# Altium PCB MFC-Card-Template.PcbDoc (part 4 of 4)
Units mm, origin at the board's own origin, x right, y up, seen from the top; angles counter-clockwise.
Board outline 100 x 100 mm, 4 copper layers (Top Layer, Int1 (GND), Int2 (PWR), Bottom Layer), stack 1.542 mm thick; 292 components, 210 nets, 1185 pads, 682 vias.
Unrouted connection lines stored in the file: 56.
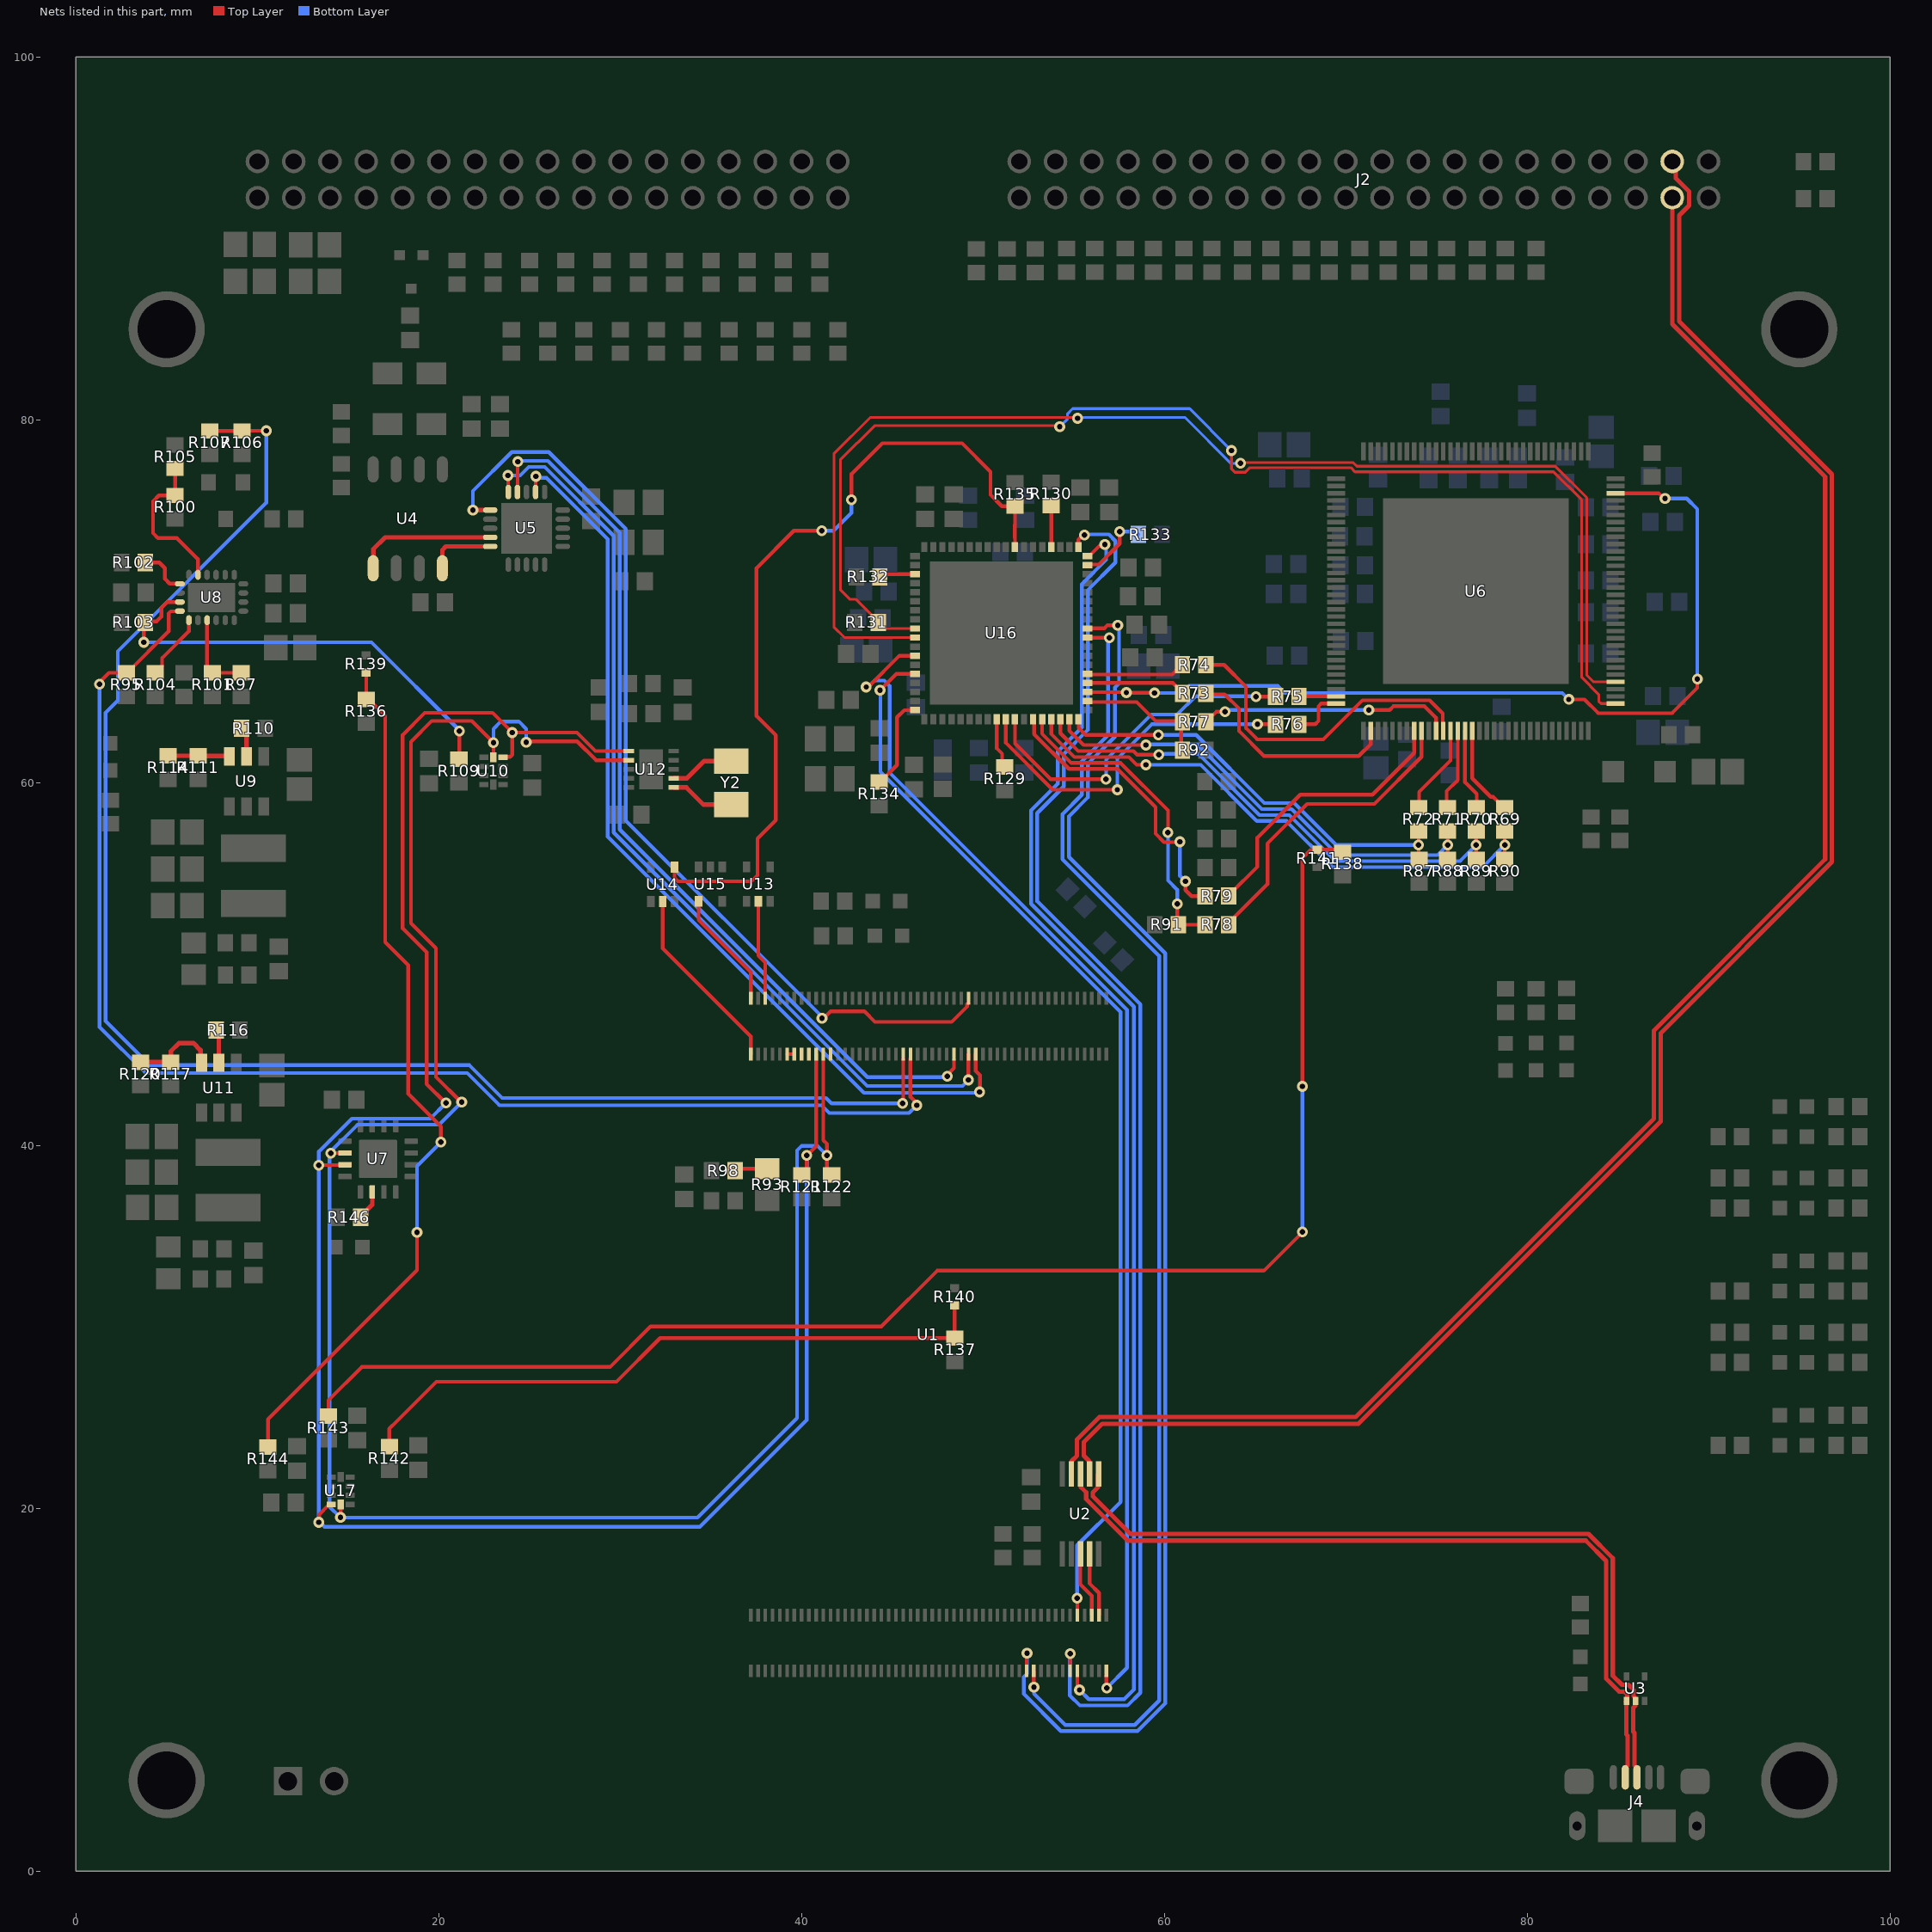
[diagram p6: the nets of this part, all layers, seen from the top]

## Via types
v1: diameter 0.6, hole 0.3, Top Layer to Bottom Layer, 682 vias

## Nets (pads, with @x,y where several pads share a name; then routed paths per layer and width w, separated by ;. In a path a pad name is that pad's centre, name@x,y a point inside that pad or via, vN(x,y) a via of type N, cw(c..) or ccw(c..) an arc to the next point about the centre after c; other vN are vias at no path point) (continued)
NetR69_1: R69.1 R90.2 U16.15 | length 31
  Top Layer w0.203: U16.15@53.762,63.5 53.762,62.697 55.042,61.417 58.039,61.417 58.471,60.985 v1(58.979,60.985) ; R69.1@78.765,57.328 v1(78.765,56.566) R90.2@78.765,55.768 78.765,55.728 R90.2@78.816,55.677
  Bottom Layer w0.203: v1(58.979,60.985) 62.001,60.985 65.1,57.887 66.726,57.887 69.266,55.347 77.546,55.347 v1(78.765,56.566)
NetR69_2: R69.2 U6.80 | length 5.1
  Top Layer w0.203: U6.80@76.975,62.859 76.975,60.24 77.992,59.223 78.12,59.223 78.715,58.628 R69.2@78.765,58.628
NetR70_1: R70.1 R89.2 U16.16 | length 28.5
  Top Layer w0.203: U16.16@54.262,63.5 54.262,62.73 55.245,61.747 58.293,61.747 58.496,61.544 v1(59.69,61.544) ; R89.2@77.191,55.905 v1(77.191,56.566) R70.1@77.191,57.328
  Bottom Layer w0.203: v1(59.69,61.544) 59.741,61.595 61.859,61.595 65.237,58.217 66.884,58.217 69.424,55.677 76.302,55.677 v1(77.191,56.566)
NetR70_2: R70.2 U6.79 | length 4.5
  Top Layer w0.203: U6.79@76.575,62.859 76.575,60.026 77.216,59.385 77.216,58.75 R70.2@77.14,58.674
NetR71_1: R71.1 R88.2 U16.17 | length 26.1
  Top Layer w0.203: U16.17@54.762,63.5 54.762,62.865 55.55,62.078 v1(58.979,62.078) ; R88.2@75.54,55.829 75.616,55.905 v1(75.616,56.566) R71.1@75.616,57.328
  Bottom Layer w0.203: v1(58.979,62.078) 59.009,62.108 61.813,62.108 65.374,58.547 67.021,58.547 69.561,56.007 75.057,56.007 v1(75.616,56.566)
NetR71_2: R71.2 U6.78 | length 4.5
  Top Layer w0.203: R71.2@75.514,58.598 75.565,58.649 75.565,59.538 76.175,60.148 U6.78@76.175,62.859
NetR72_1: R72.1 R87.2 U16.18 | length 23.4
  Top Layer w0.203: U16.18@55.262,63.5 55.27,63.492 55.27,63.024 55.658,62.636 v1(59.665,62.636) ; R87.2@73.939,55.855 74.016,55.931 v1(74.016,56.566) R72.1@74.016,57.328
  Bottom Layer w0.203: v1(59.665,62.636) 61.751,62.636 65.511,58.877 67.158,58.877 69.469,56.566 v1(74.016,56.566)
NetR72_2: R72.2 U6.77 | length 4.9
  Top Layer w0.203: R72.2@73.965,58.674 74.041,58.75 74.041,59.487 75.775,61.221 U6.77@75.775,62.859
NetR73_1: R73.1 U16.22 | length 5.5
  Top Layer w0.203: U16.22@55.762,65.5 60.469,65.5 60.996,64.972 R73.1@60.996,64.922
NetR73_2: R73.2 U6.66 | length 12.3
  Top Layer w0.203: R73.2@62.297,64.872 63.322,64.872 64.11,64.084 64.11,62.851 65.492,61.468 70.714,61.468 71.374,62.128 71.374,62.483 71.375,62.484 U6.66@71.375,62.859 ; R73.2@62.296,64.872 R73.2@62.296,64.922
NetR74_1: R74.1 U16.23 | length 5.4
  Top Layer w0.203: U16.23@55.762,66 55.798,65.964 60.427,65.964 R74.1@60.96,66.497
NetR74_2: R74.2 U6.76 | length 18.3
  Top Layer w0.203: R74.2@62.296,66.497 63.297,66.497 64.491,65.303 64.491,63.017 65.126,62.382 68.76,62.382 70.922,64.545 74.622,64.545 75.352,63.815 75.352,62.883 U6.76@75.375,62.859
NetR75_1: R75.1 U16.11 | length 19
  Top Layer w0.203: U16.11@51.762,63.5 51.762,62.157 53.721,60.198 v1(56.774,60.198) ; v1(65.049,64.749) 66.118,64.749 R75.1@66.121,64.746
  Bottom Layer w0.203: v1(56.774,60.198) 56.794,60.219 56.794,61.265 59.284,63.754 60.706,63.754 61.722,64.77 65.028,64.77 v1(65.049,64.749)
NetR75_2: R75.2 U6.63 | length 2.1
  Top Layer w0.203: R75.2@67.421,64.746 67.434,64.759 U6.63@69.475,64.759
NetR76_1: R76.1 U16.10 | length 19.7
  Top Layer w0.203: U16.10@51.262,63.5 51.262,62.19 53.838,59.614 v1(57.404,59.614) ; v1(65.131,63.226) 66.117,63.226 R76.1@66.121,63.222
  Bottom Layer w0.203: v1(57.404,59.614) 57.404,61.316 59.309,63.221 65.126,63.221 v1(65.131,63.226)
NetR76_2: R76.2 U6.64 | length 3
  Top Layer w0.203: R76.2@67.421,63.222 68.32,63.222 68.498,63.4 68.498,64.213 68.644,64.359 U6.64@69.475,64.359
NetR77_1: R77.1 R92.2 U16.20 | length 7.3
  Top Layer w0.203: U16.20@55.762,64.45 55.77,64.442 58.468,64.442 59.512,63.398 R77.1@60.995,63.398 ; R92.2@60.996,61.798 60.92,61.874 60.92,63.271 R77.1@60.996,63.348 R77.1@60.996,63.398
NetR77_2: R77.2 U6.75 | length 13.9
  Top Layer w0.203: R77.2@62.296,63.348 62.855,63.906 v1(63.348,63.906) ; v1(71.272,64.008) 72.417,64.008 72.624,64.214 74.343,64.214 74.981,63.576 U6.75@74.981,62.967
  Bottom Layer w0.203: v1(63.348,63.906) 63.416,63.906 63.518,64.008 v1(71.272,64.008)
NetR78_1: R78.1 R91.2 U16.14 | length 17.6
  Top Layer w0.203: U16.14@53.262,63.5 53.262,62.699 54.875,61.087 57.582,61.087 60.198,58.471 v1(60.198,57.252) ; R91.2@60.706,52.336 v1(60.706,53.315) ; R91.2@60.772,52.172 60.805,52.205 60.805,52.336 60.97,52.172 62.19,52.172 62.24,52.222 R78.1@62.24,52.172
  Bottom Layer w0.203: v1(60.198,57.252) 60.198,54.61 60.706,54.102 v1(60.706,53.315)
NetR78_2: R78.2 U6.73 | length 17
  Top Layer w0.203: R78.2@63.678,52.4 65.684,54.407 65.684,56.642 67.869,58.826 71.577,58.826 74.175,61.424 U6.73@74.175,62.859
NetR79_1: R79.1 U16.13 | length 16.2
  Top Layer w0.203: U16.13@52.762,63.5 52.82,63.442 52.82,62.675 54.738,60.757 57.404,60.757 59.512,58.649 59.512,57.19 59.979,56.723 60.838,56.723 v1(60.858,56.744) ; v1(61.163,54.559) 61.163,54.077 61.493,53.746 R79.1@62.24,53.746
  Bottom Layer w0.203: v1(60.858,56.744) 60.858,54.864 v1(61.163,54.559)
NetR79_2: R79.2 U6.72 | length 15.8
  Top Layer w0.203: R79.2@63.54,53.746 63.54,53.796 63.616,53.721 63.616,53.862 65.126,55.372 65.126,56.972 67.488,59.334 71.476,59.334 73.775,61.634 U6.72@73.775,62.859
NetR95_1: R95.1 U1.56 U8.20 | length 75.5
  Top Layer w0.203: v1(1.295,65.43) 1.295,65.532 1.818,66.055 2.819,66.055 5.105,68.342 5.105,69.323 5.224,69.442 5.704,69.442 U8.20@5.723,69.461 ; U1.56@46,44.783 46,42.677 46.355,42.322 v1@46.355,42.24
  Bottom Layer w0.203: v1(1.295,65.43) 1.295,46.533 3.835,43.993 21.565,43.993 23.343,42.215 41.097,42.215 41.529,41.783 45.923,41.783 v1(46.355,42.215)
NetR97_1: R97.1 R101.2 U8.3 | length 4.6
  Top Layer w0.203: U8.3@7.223,68.961 7.223,66.35 R101.2@7.518,66.055 R97.1@9.093,66.055
NetR100_1: R100.1 R105.2 U8.15 | length 8.5
  Top Layer w0.203: R105.2@5.461,77.328 R100.1@5.461,75.834 4.562,75.834 4.242,75.514 4.242,73.762 4.521,73.482 5.563,73.482 6.723,72.322 U8.15@6.723,71.461
NetR102_2: R102.2 U8.17 | length 2.7
  Top Layer w0.203: R102.2@3.81,72.136 4.592,72.136 4.898,71.83 4.898,71.242 5.16,70.98 5.704,70.98 U8.17@5.723,70.961
NetR103_2: R103.2 R109.1 U8.19 | length 24.7
  Top Layer w0.203: v1(3.734,67.742) 3.734,68.743 3.882,68.892 4.44,68.892 4.702,69.153 4.702,69.61 5.053,69.961 U8.19@5.723,69.961 ; R109.1@21.082,61.366 21.133,61.417 v1(21.133,62.84)
  Bottom Layer w0.203: v1(3.734,67.742) 16.281,67.742 21.133,62.89 v1(21.133,62.84)
NetR104_2: R104.2 U8.1 | length 3.8
  Top Layer w0.203: R104.2@4.115,66.106 R104.2@4.15,66.141 ; R104.2@4.369,66.055 4.419,66.055 4.742,66.378 4.742,66.871 6.223,68.351 U8.1@6.223,68.961
NetR106_2: R106.2 R107.2 U1.58 | length 87.6
  Top Layer w0.203: R107.2@7.366,79.39 R106.2@9.144,79.39 9.154,79.4 v1(10.49,79.4) ; v1(45.568,42.316) 45.598,42.347 U1.58@45.598,44.783
  Bottom Layer w0.203: v1(10.49,79.4) 10.49,75.438 2.299,67.246 2.299,64.529 1.626,63.856 1.626,46.863 4.064,44.425 21.692,44.425 23.495,42.621 41.351,42.621 41.656,42.316 v1(45.568,42.316)
NetR110_1: R110.1 U9.5 | length 1.7
  Top Layer w0.254: R110.1@9.129,62.992 9.398,62.723 U9.5@9.398,61.446
NetR111_1: R111.1 R114.2 U9.6 | length 3.6
  Top Layer w0.254: R114.2@5.08,61.483 R111.1@6.731,61.483 6.746,61.468 8.27,61.468 8.448,61.646 U9.6@8.448,61.446
NetR116_1: R116.1 U11.5 | length 1.9
  Top Layer w0.254: R116.1@7.732,46.355 7.874,46.213 U11.5@7.874,44.555
NetR117_1: R117.1 R120.2 U11.6 | length 5
  Top Layer w0.254: R120.2@3.556,44.592 R117.1@5.207,44.592 5.224,44.609 5.224,45.188 5.681,45.645 6.465,45.645 6.856,45.253 6.856,44.622 U11.6@6.924,44.555
NetR121_1: R121.1 U1.82 U7.7 U10.9 U12.6 U17.9 | length 119.5
  Top Layer w0.203: v1(13.386,19.228) 13.405,19.247 13.405,19.658 13.915,20.168 14.015,20.168 U17.9@14.063,20.216 ; v1(13.386,38.913) 13.398,38.925 14.947,38.925 U7.7@14.96,38.937 ; v1(20.396,42.342) 20.371,42.342 19.329,43.383 19.329,50.648 18.009,51.968 18.009,62.636 19.228,63.856 22.962,63.856 v1(24.054,62.763) ; U10.9@23.537,61.393 23.567,61.423 23.932,61.423 24.054,61.544 v1(24.054,62.763) ; U12.6@30.469,61.741 28.632,61.741 27.61,62.763 24.13,62.763 v1(24.054,62.763) ; R121.1@40.005,38.369 40.28,38.644 v1(40.28,39.446) ; v1@40.234,39.446 v1(40.28,39.446) ; U1.82@40.8,45.031 40.8,39.967 v1(40.28,39.446)
  Bottom Layer w0.203: v1(20.396,42.342) 19.533,41.478 15.203,41.478 13.386,39.661 v1(13.386,38.913) 13.388,38.911 13.388,19.23 v1(13.386,19.228) 13.449,19.228 13.703,18.974 34.392,18.974 40.28,24.862 v1(40.28,39.446)
NetR122_1: R122.1 U1.80 U7.6 U10.10 U12.7 U17.10 | length 118.3
  Top Layer w0.203: v1(14.044,39.571) 14.051,39.579 14.75,39.579 U7.6@14.759,39.588 ; v1(14.58,19.502) 14.584,19.507 14.584,20.212 U17.10@14.588,20.216 ; v1(21.26,42.393) 21.226,42.393 19.837,43.781 19.837,50.876 18.466,52.248 18.466,62.255 19.609,63.398 21.819,63.398 v1(23.012,62.205) U10.10@23.012,61.393 ; v1(24.816,62.235) 24.862,62.281 27.625,62.281 28.665,61.241 U12.7@30.469,61.241 ; U1.80@41.2,45.031 41.199,45.03 41.199,40.284 41.402,40.081 41.402,38.692 41.598,38.496 R122.1@41.656,38.496
  Bottom Layer w0.203: v1@13.993,39.622 15.519,41.148 20.015,41.148 v1(21.26,42.393) ; v1(14.044,39.571) 13.97,39.498 13.97,20.091 14.559,19.502 v1(14.58,19.502) ; v1@14.58,19.482 34.265,19.482 39.751,24.968 39.751,39.726 40.005,39.98 40.869,39.98 v1(41.402,39.446) ; v1(23.012,62.205) 23.012,62.967 23.419,63.373 24.409,63.373 24.816,62.967 v1(24.816,62.235)
NetR129_1: R129.1 U16.9 | length 2.8
  Top Layer w0.203: U16.9@50.762,63.5 50.762,61.887 51.054,61.595 51.054,60.935 R129.1@51.156,60.833
NetR130_2: R130.2 U16.40 | length 2.2
  Top Layer w0.203: R130.2@53.746,75.209 53.762,75.193 U16.40@53.762,73
NetR131_1: R131.1 U6.97 U16.63 | length 69.8
  Top Layer w0.152: U16.63@46.262,68.5 44.545,68.5 44.221,68.823 R131.1@44.221,68.834 44.221,68.884 43.001,70.104 42.672,70.104 42.139,70.637 42.139,77.8 44.018,79.68 54.178,79.68 v1(54.229,79.629) ; v1(63.703,78.308) 63.696,78.301 63.696,77.3 63.881,77.114 64.465,77.114 64.719,77.368 70.282,77.368 70.51,77.14 81.458,77.14 83.007,75.59 83.007,65.807 83.947,64.867 83.947,64.491 84.074,64.364 84.871,64.364 U6.97@84.875,64.359
  Bottom Layer w0.152: v1(54.229,79.629) 54.661,80.061 54.661,80.34 54.94,80.62 61.392,80.62 v1(63.703,78.308)
NetR132_1: R132.1 U16.57 | length 2
  Top Layer w0.203: R132.1@44.298,71.399 44.398,71.5 U16.57@46.262,71.5
NetR133_2: R133.2 U16.35 | length 4
  Top Layer w0.203: U16.35@55.762,72 55.791,72.028 56.381,72.028 57.536,73.183 v1(57.536,73.838)
  Bottom Layer w0.203: v1(57.536,73.838) 58.42,73.838 R133.2@58.572,73.685
NetR134_2: R134.2 U16.72 | length 5.2
  Top Layer w0.203: R134.2@44.272,60.035 44.322,60.035 45.263,60.976 45.263,63.602 45.661,64 U16.72@46.262,64
NetR135_1: R135.1 U14.4 U16.44 | length 46
  Top Layer w0.203: U14.4@32.995,55.347 32.995,54.742 33.177,54.559 37.236,54.559 37.567,54.889 37.567,56.921 38.583,57.937 38.583,62.611 37.516,63.678 37.516,71.831 39.573,73.889 v1(41.107,73.889) ; v1(42.748,75.59) 42.748,77.013 44.45,78.715 48.844,78.715 50.419,77.14 50.419,75.87 51.044,75.245 R135.1@51.765,75.245 ; U16.44@51.762,73 51.762,73.495 51.755,73.502 51.755,74.208 51.762,74.216 R135.1@51.762,75.242
  Bottom Layer w0.203: v1(41.107,73.889) 41.758,73.889 42.748,74.879 v1(42.748,75.59)
NetR136_1: R136.1 R139.2 R144.1 | length 48.5
  Top Layer w0.203: R144.1@10.579,23.374 10.579,24.904 18.796,33.122 v1(18.796,35.204) ; R136.1@15.998,64.579 R136.1@15.998,64.723 ; R139.2@15.998,66.066 R136.1@15.998,64.723 ; v1(20.117,40.183) 20.117,41.046 18.313,42.85 18.313,49.936 17.043,51.206 17.043,63.678 R136.1@15.998,64.723
  Bottom Layer w0.203: v1(18.796,35.204) 18.796,38.862 v1(20.117,40.183)
NetR137_1: R137.1 R140.2 R142.1 | length 36
  Top Layer w0.203: R142.1@17.272,23.398 17.272,24.384 17.704,24.816 19.863,26.975 29.794,26.975 32.201,29.382 R137.1@48.453,29.382 48.438,29.397 R140.2@48.438,31.173
NetR138_1: R138.1 R141.2 R143.1 | length 81.4
  Top Layer w0.203: R143.1@13.894,25.019 13.919,25.044 13.919,25.959 15.748,27.788 29.439,27.788 31.674,30.023 44.399,30.023 47.473,33.096 65.481,33.096 v1(67.615,35.23) ; v1(67.615,43.256) 67.615,55.855 68.047,56.286 68.41,56.286 R141.2@68.428,56.304 69.654,56.304 R138.1@69.723,56.236
  Bottom Layer w0.203: v1(67.615,35.23) v1(67.615,43.256)
NetR146_2: R146.2 U7.10 | length 1.7
  Top Layer w0.254: R146.2@15.692,36.04 15.692,36.09 16.332,36.73 16.332,37.431 U7.10@16.327,37.437
NetU1_38: U1.38 U5.12 | length 51.2
  Top Layer w0.203: U5.12@25.334,76.026 25.342,76.033 25.342,76.878 v1(25.349,76.886) ; U1.38@49.6,45.031 49.6,44.108 49.835,43.874 49.835,42.977 v1(49.809,42.951)
  Bottom Layer w0.203: v1(25.349,76.886) 25.425,76.81 25.933,76.81 29.312,73.431 29.312,57.023 43.434,42.901 49.759,42.901 v1(49.809,42.951)
NetU1_39: U1.39 U5.16 | length 53.5
  Top Layer w0.203: v1(41.123,47.015) 41.226,47.015 41.602,47.392 43.464,47.392 44.044,46.812 48.274,46.812 49.129,47.666 49.129,47.793 U1.39@49.198,47.863
  Top Layer w0.254: v1(21.876,75.03) 22.831,75.03 U5.16@22.834,75.026
  Bottom Layer w0.203: v1(21.876,75.03) 21.876,76.079 24.024,78.227 26.065,78.227 30.302,73.99 30.302,57.912 41.123,47.092 v1(41.123,47.015)
NetU1_40: U1.40 U5.15 | length 51.8
  Top Layer w0.203: v1(23.818,76.937) 23.826,76.928 23.826,76.034 U5.15@23.834,76.026 ; v1(49.2,43.612) U1.40@49.2,45.031
  Bottom Layer w0.203: v1(23.818,76.937) 24.486,76.937 24.963,77.414 25.837,77.414 29.642,73.609 29.642,57.252 43.612,43.282 48.87,43.282 v1(49.2,43.612)
NetU1_44: U1.44 U5.14 | length 50.2
  Top Layer w0.203: U5.14@24.335,76.026 24.347,76.038 24.347,77.687 v1(24.359,77.699) ; v1(48.031,43.815) 48.031,43.898 48.4,44.266 U1.44@48.4,44.783
  Bottom Layer w0.203: v1(24.359,77.699) 24.405,77.745 26.014,77.745 29.972,73.787 29.972,57.418 43.625,43.765 47.981,43.765 v1(48.031,43.815)
NetU1_95: U1.95 U13.2 | length 5.5
  Top Layer w0.203: U13.2@37.617,53.457 37.617,50.47 38,50.087 U1.95@38,48.111
NetU1_99: U1.99 U15.4 | length 6.5
  Top Layer w0.203: U15.4@34.326,53.457 34.326,52.441 37.2,49.566 U1.99@37.2,48.111
NetU1_100: U1.100 U14.2 | length 10.4
  Top Layer w0.203: U14.2@32.345,53.447 32.345,50.866 37.2,46.01 U1.100@37.2,45.031
NetU1_102: U1.102 U16.66 | length 66.8
  Top Layer w0.203: v1(43.561,65.278) 43.668,65.278 45.39,67 U16.66@46.262,67 ; U1.102@56.802,10.783 56.802,10.102 v1(56.82,10.084)
  Bottom Layer w0.203: v1(43.561,65.278) 43.668,65.278 44.02,65.629 44.557,65.629 44.852,65.334 44.852,60.558 57.937,47.473 57.937,11.201 v1(56.82,10.084)
NetU1_103: U1.103 U2.4 | length 3.6
  Top Layer w0.203: U2.4@55.872,17.485 55.872,15.858 56.4,15.33 U1.103@56.4,14.111
NetU1_105: U1.105 U2.3 | length 3.6
  Top Layer w0.203: U2.3@55.372,17.485 55.372,15.799 56,15.171 U1.105@56,14.111
NetU1_109: U1.109 U16.68 | length 59.6
  Top Layer w0.203: v1(44.323,65.1) 45.222,66 U16.68@46.262,66 ; v1(55.194,15.037) 55.198,15.033 U1.109@55.2,14.111 U1.109@55.2,14.111
  Bottom Layer w0.203: v1(44.323,65.1) 44.348,65.075 44.348,60.594 57.582,47.36 57.582,20.345 55.194,17.958 55.194,15.215 v1@55.22,15.189
NetU1_110: U1.110 U16.36 | length 72.7
  Top Layer w0.203: U1.110@55.2,10.783 55.2,10.197 55.321,10.076 v1(55.321,9.982) ; U16.36@55.762,72.5 55.862,72.5 56.413,73.051 56.642,73.051 v1(56.718,73.127)
  Bottom Layer w0.203: v1(55.321,9.982) 55.829,9.474 57.785,9.474 58.318,10.008 58.318,47.65 52.654,53.315 52.654,58.471 54.127,59.944 54.127,61.722 55.448,63.043 55.448,70.942 56.794,72.288 56.794,73.051 v1(56.718,73.127)
NetU1_112: U1.112 U16.37 | length 77.8
  Top Layer w0.203: U1.112@54.802,11.279 54.802,11.977 v1(54.813,11.989) ; U16.37@55.262,73 55.262,73.398 55.524,73.66 v1(55.601,73.66)
  Bottom Layer w0.203: v1(54.813,11.989) 54.788,11.963 54.788,9.677 55.34,9.126 57.97,9.126 58.674,9.83 58.674,47.777 52.984,53.467 52.984,58.318 54.458,59.792 54.458,61.585 55.778,62.906 55.778,70.612 57.302,72.136 57.302,73.324 56.941,73.685 55.626,73.685 v1(55.601,73.66)
NetU1_122: U1.122 U16.27 | length 72.5
  Top Layer w0.203: U1.122@52.8,11.031 52.802,11.029 52.802,10.14 v1(52.807,10.135) ; U16.27@55.762,68 55.77,67.992 56.96,67.992 v1(56.967,67.985)
  Bottom Layer w0.203: v1(52.807,10.135) 52.807,9.779 54.534,8.052 58.369,8.052 59.715,9.398 59.715,9.779 59.715,47.828 59.715,50.444 54.381,55.778 54.381,58.268 55.448,59.334 55.448,61.175 56.896,62.623 56.896,67.914 v1(56.967,67.985)
NetU1_124: U1.124 U16.28 | length 76.8
  Top Layer w0.203: U1.124@52.402,11.279 52.402,11.99 v1(52.426,12.014) ; U16.28@55.82,68.515 56.698,68.515 56.865,68.682 v1(57.429,68.682)
  Bottom Layer w0.203: v1(52.426,12.014) 52.426,10.87 52.248,10.692 52.248,9.765 54.291,7.722 58.522,7.722 60.046,9.246 60.046,10.682 60.046,50.597 54.737,55.905 54.737,58.141 55.778,59.182 55.778,61.038 57.277,62.537 57.277,65.254 57.496,65.473 57.496,68.615 v1(57.429,68.682)
NetU4_1: U4.1 U5.19 | length 7.8
  Top Layer w0.254: U4.1@16.383,71.824 16.39,71.831 16.39,72.875 17.041,73.526 U5.19@22.834,73.526
NetU4_4: U4.4 U5.20 | length 3.7
  Top Layer w0.254: U4.4@20.193,71.824 20.193,72.825 20.394,73.026 U5.20@22.834,73.026
NetU6_100: U6.100 U16.64 | length 70
  Top Layer w0.152: U16.64@46.262,68 42.363,68 41.783,68.58 41.783,78.13 43.79,80.137 55.174,80.137 v1(55.22,80.091) ; v1(64.199,77.618) 64.229,77.648 70.409,77.648 70.612,77.445 81.548,77.445 83.287,75.706 83.287,65.923 83.65,65.559 U6.100@84.875,65.559
  Bottom Layer w0.152: v1(55.22,80.091) 55.266,80.137 61.138,80.137 63.678,77.597 64.178,77.597 v1(64.199,77.618)
NetU6_126: U6.126 U16.21 | length 49.7
  Top Layer w0.203: U16.21@55.762,65 55.776,64.986 57.887,64.986 v1(57.902,64.971) ; v1@57.912,64.973 57.925,64.96 59.449,64.96 v1(59.461,64.948) ; v1(82.296,64.592) 83.16,64.592 83.922,63.83 87.986,63.83 89.383,65.227 v1(89.383,65.71) ; U6.126@84.875,75.959 87.243,75.959 87.536,75.667 v1(87.605,75.667)
  Bottom Layer w0.203: v1(59.461,64.948) 60.985,64.948 61.366,65.329 66.262,65.329 66.643,64.948 81.94,64.948 v1(82.296,64.592) ; v1(87.605,75.667) 88.798,75.667 89.383,75.082 v1(89.383,65.71)
NetU12_1: U12.1 Y2.2 | length 3.6
  Top Layer w0.254: U12.1@32.944,59.741 33.639,59.741 34.585,58.795 Y2.2@36.119,58.795
NetU12_2: U12.2 Y2.1 | length 3.6
  Top Layer w0.254: U12.2@32.944,60.241 33.674,60.241 34.628,61.195 Y2.1@36.119,61.195
Pi4CM_1.8V: U1.88 U1.90 | length 0.4
  Top Layer w0.203: U1.90@39.2,45.031 U1.90@39.2,45.031 39.202,45.034 U1.88@39.548,45.034
Pi4CM_3P3V: R93.1 R98.2 U1.78 U1.84 U1.86 | length 1.8
  Top Layer w0.203: R98.2@36.337,38.608 36.45,38.721 R93.1@38.1,38.721
USB1_D_N: J2.37 U2.9 | length 99.3
  Top Layer w0.244: U2.9@54.872,21.885 54.9,21.913 54.9,22.615 55.187,22.902 55.187,23.8 56.418,25.031 70.543,25.031 86.992,41.479 86.992,46.338 96.432,55.778 96.432,76.861 88.008,85.285 J2.37@88.008,92.25
USB1_D_P: J2.38 U2.7 | length 102
  Top Layer w0.244: U2.7@55.872,21.885 55.844,21.913 55.844,22.615 55.557,22.902 55.557,23.646 56.571,24.66 70.697,24.66 87.362,41.326 87.362,46.185 96.802,55.625 96.802,77.014 88.378,85.438 88.378,91.274 88.925,91.821 88.925,92.596 88.202,93.319 88.202,94.048 J2.38@88,94.25
USB2_D_N: J4.2 U2.8 U3.1 | length 44.2
  Top Layer w0.244: U2.8@55.372,21.885 55.4,21.857 55.4,21.155 55.685,20.87 55.685,20.503 57.971,18.217 83.226,18.217 84.35,17.094 84.35,10.612 85.072,9.889 85.365,9.889 85.507,9.746 85.507,9.409 85.451,9.352 85.47,9.333 85.47,7.534 85.545,7.459 85.545,5.822 85.405,5.682 J4.2@85.405,5.207
USB2_D_P: J4.3 U2.6 U3.2 | length 44.2
  Top Layer w0.244: U2.6@56.372,21.885 56.344,21.857 56.344,21.155 56.056,20.867 56.056,20.656 58.125,18.588 83.38,18.588 84.72,17.247 84.72,10.765 85.226,10.26 85.592,10.26 85.878,9.974 85.878,9.622 U3.2@85.948,9.552 ; U3.2@85.979,9.383 85.951,9.355 85.951,9.111 85.841,9.001 85.841,7.688 85.915,7.613 85.915,5.822 86.055,5.682 J4.3@86.055,5.207
pads on no net: U1.3 U1.5 U1.9 U1.11 U1.16 U1.18 U1.20 U1.57 U1.61 U1.62 U1.63 U1.64 U1.67 U1.68 U1.69 U1.70 U1.72 U1.73 U1.75 U1.76 U1.89 U1.91 U1.93 U1.94 U1.96 U1.97 U1.104 U1.106 U1.111 U1.115 U1.117 U1.121 U1.123 U1.127 U1.128 U1.129 U1.130 U1.133 U1.134 U1.135 U1.136 U1.139 U1.140 U1.141 U1.142 U1.143 U1.145 U1.146 U1.147 U1.148 U1.149 U1.151 U1.152 U1.153 U1.154 U1.157 U1.158 U1.159 U1.160 U1.163 U1.164 U1.165 U1.166 U1.169 U1.170 U1.171 U1.172 U1.175 U1.176 U1.177 U1.178 U1.181 U1.182 U1.183 U1.184 U1.187 U1.188 U1.189 U1.190 U1.193 U1.194 U1.195 U1.196 U1.199 U1.200 U5.1 U5.2 U5.3 U5.4 U5.5 U5.9 U5.10 U5.11 U5.13 U5.17 U6.6 U6.7 U6.8 U6.9 U6.17 U6.18 U6.20 U6.21 U6.28 U6.29 U6.31 U6.32 U6.39 U6.40 U6.42 U6.43 U6.46 U6.52 U6.53 U6.54 U6.55 U6.58 U6.59 U6.60 U6.61 U6.62 U6.65 U6.87 U6.88 U6.93 U6.94 U6.96 U6.99 U6.108 U6.117 U6.118 U6.120 U6.121 U6.125 U7.8 U7.9 U7.13 U7.17@16.082,38.692 U7.17@16.082,39.831 U7.17@17.221,38.692 U7.17@17.221,39.831 U10.2 U10.6 U10.7 U12.3 U12.8 U12.9 U13.1 U14.1 U15.1 U16.47 U16.49 U16.50 U16.51 U16.54 U16.55 U16.56 U16.58 U16.59 U16.60 U16.67 U17.2 U17.7
copper on no net:
  other v1: 25.5,13.071 73.5,13.071 25.5,46.071 73.5,46.071

## Polygon pours and split planes (outlines as drawn)
GND on Top Layer "Top Layer-GND" (solid, remove dead copper, pour order 55): 0,0 100,0 100,100 0,100
+5 on Top Layer "Top Layer-+5 1" (solid, pour order 44): 41.707,47.752 41.707,49.327 41.377,49.657 39.827,49.657 39.497,49.327 39.497,49.225 39.497,47.752
+2.5 on Top Layer "Top Layer-+1.2" (solid, pour order 46): 7.163,50.038 5.461,50.038 4.724,50.775 4.166,50.775 3.848,50.457 3.848,48.4 4.127,48.12 4.712,48.12 5.41,48.819 7.163,48.819
+3.3 on Top Layer "Top Layer-+3.3" (solid, pour order 45): 38.786,37.567 38.786,34.823 38.583,34.62 36.271,34.62 36.144,34.747 36.144,35.306 36.449,35.611 36.855,35.611 37.262,36.017 37.414,36.17 37.414,37.567
Pi4CM_3P3V on Top Layer "Top Layer-Pi3V3" (solid, remove dead copper, pour order 50): 40.513,45.593 40.64,45.72 41.377,45.72 41.504,45.593 41.504,44.679 41.707,44.679 41.707,45.847 41.529,46.025 40.056,46.025 39.903,45.872 39.903,45.593 39.903,42.799 37.414,40.31 37.414,38.125 38.786,38.125 38.786,39.599 40.513,41.326
+1.2 on Top Layer "Top Layer-+1.2" (solid, pour order 47): 5.829,33.236 4.127,33.236 3.391,33.972 2.832,33.972 2.515,33.655 2.515,31.598 2.794,31.318 3.378,31.318 4.077,32.017 5.829,32.017
+5_Supply on Top Layer "Top Layer-+5_Supply" (solid, remove dead copper, pour order 53): 14.884,94.386 14.3,94.971 13.665,94.971 13.208,94.513 13.208,84.48 11.481,82.753 11.481,82.194 11.481,73.635 11.024,73.177 10.77,73.177 8.534,73.177 7.544,72.187 7.544,71.171 8.941,71.171 8.941,70.333 8.992,70.383 11.43,70.383 11.43,71.501 13.081,73.152 13.081,82.017 14.884,83.82
+5 on Top Layer "Top Layer-+5" (solid, pour order 54): 11.963,65.684 13.386,65.684 14.453,64.618 14.44,62.497 15.519,61.417 15.519,45.72 13.462,43.663 9.728,43.663 9.347,44.044 8.509,44.044 8.509,46.838 8.484,46.863 8.534,46.914 12.979,46.914 13.665,47.6 13.665,60.223 13.31,60.579 11.43,60.579 11.1,60.909 10.033,60.909 10.033,64.084 9.804,64.313 8.585,64.313 8.585,65.227 9.804,65.227 9.804,66.573 8.89,67.488 7.772,67.488 7.544,67.716 7.544,69.24 8.941,69.24 8.941,70.129 11.354,70.129 11.506,69.977 11.506,68.402 11.684,68.224 11.684,65.964
NetL2_1 on Top Layer "Top Layer-NetL2_1" (solid, pour order 48): 9.142,42.314 9.142,41.465 10.187,40.421 10.187,38.854 6.53,38.853 6.53,40.355 6.595,40.421 7.967,40.421 8.489,40.943 8.489,42.314
NetL1_1 on Top Layer "Top Layer-NetL1_1" (solid, pour order 49): 10.644,59.227 10.644,58.117 11.623,57.138 11.623,55.636 7.967,55.636 7.967,57.268 8.162,57.464 9.599,57.464 10.056,57.921 10.056,59.227
NetC66_2 on Top Layer "Top Layer-NetC66_2" (solid, pour order 51): 10.187,37.352 5.877,37.352 5.681,37.547 5.681,41.27 4.245,41.27 4.245,33.76 5.746,33.76 5.746,35.589 5.942,35.784 10.187,35.784
NetC61_2 on Top Layer "Top Layer-NetC61_2" (solid, pour order 52): 11.623,54.134 7.314,54.134 7.118,54.33 7.118,58.052 5.681,58.052 5.681,50.542 7.183,50.542 7.183,52.371 7.379,52.566 11.623,52.566
GND on Bottom Layer "Bot Layer-GND" (solid, remove dead copper, pour order 56): 0,0 100,0 100,100 0,100
+3.3 on Int2 (PWR) (split plane): 99.49,0.51 0.51,0.51 0.51,99.49 99.49,99.49
+1.2 on Int2 (PWR) (split plane): 86.092,88.645 86.092,86.766 86.092,78.157 84.53,76.595 71.806,76.595 71.781,76.59 71.76,76.576 70.414,75.23 70.4,75.209 70.395,75.184 70.395,63.297 70.4,63.272 70.414,63.251 70.573,63.092 70.573,62.155 70.23,61.812 69.648,61.812 69.28,62.181 69.28,76.275 70.893,77.888 83.795,77.888 83.819,77.893 83.84,77.907 84.526,78.593 84.54,78.614 84.545,78.638 84.545,87.503 84.54,87.528 84.526,87.549 83.84,88.235 83.129,88.946 83.108,88.96 83.083,88.965 48.209,88.965 48.184,88.96 48.163,88.946 45.623,86.406 45.609,86.385 45.604,86.36 45.604,81.229 45.604,73.052 44.734,72.182 44.72,72.161 44.715,72.136 44.715,66.143 44.449,65.876 43.613,65.876 43.397,66.092 43.397,72.846 44.293,73.741 44.307,73.762 44.312,73.787 44.312,80.848 44.307,80.873 44.293,80.894 44.191,80.996 41.829,83.358 41.808,83.372 41.783,83.377 22.606,83.377 22.581,83.372 22.56,83.358 19.074,79.872 12.883,73.68 12.869,73.659 12.864,73.635 12.864,70.944 8.616,66.695 8.602,66.674 8.597,66.65 8.597,56.796 3.815,52.014 3.801,51.993 3.796,51.968 3.796,46.177 3.801,46.152 3.815,46.131 5.345,44.601 5.345,35.587 3.815,34.056 3.801,34.035 3.796,34.011 3.796,31.294 3.605,31.104 2.135,31.104 1.69,31.548 1.69,35.127 3.018,36.454 3.032,36.475 3.037,36.5 3.037,44.018 3.032,44.043 3.018,44.064 1.69,45.391 1.69,52.78 6.599,57.688 6.613,57.709 6.618,57.734 6.618,67.893 10.549,71.824 10.563,71.845 10.568,71.869 10.568,73.951 18.194,81.577 22.125,85.508 41.885,85.508 41.909,85.513 41.93,85.527 46.814,90.41 84.327,90.41
+2.5 on Int2 (PWR) (split plane): 81.672,88.238 81.672,88.038 81.279,87.644 69.596,87.644 69.571,87.639 69.55,87.625 69.017,87.092 69.003,87.071 68.998,87.046 68.998,78.919 68.833,78.754 62.001,78.754 61.977,78.749 61.956,78.735 60.99,77.77 59.746,76.525 59.212,75.992 59.198,75.971 59.193,75.946 59.193,74.778 59.198,74.753 59.212,74.732 60.133,73.811 60.133,66.981 56.463,63.311 47.142,63.311 47.118,63.306 47.097,63.292 46.893,63.089 46.879,63.068 46.874,63.043 46.874,62.865 46.874,62.409 46.608,62.142 46.306,62.142 46.09,62.358 46.09,63.094 46.085,63.118 46.071,63.139 45.918,63.292 45.897,63.306 45.872,63.311 34.266,63.311 27.783,69.794 27.762,69.808 27.737,69.813 15.418,69.813 15.393,69.808 15.372,69.794 10.47,64.892 10.456,64.871 10.451,64.846 10.451,55.246 5.72,50.516 5.706,50.495 5.701,50.47 5.701,49.023 4.825,48.147 4.243,48.147 4.103,48.287 4.103,51.103 4.567,51.567 8.86,55.86 8.874,55.881 8.879,55.905 8.879,65.658 14.454,71.233 28.701,71.233 35.463,64.47 35.484,64.456 35.509,64.451 55.601,64.451 55.625,64.456 55.646,64.47 58.669,67.493 58.683,67.514 58.688,67.539 58.688,73.33 58.683,73.355 58.669,73.376 58.136,73.909 57.469,74.576 57.469,75.919 58.796,77.246 60.574,79.024 61.317,79.767 68.224,79.767 68.249,79.772 68.27,79.786 68.423,79.939 68.437,79.96 68.442,79.985 68.442,86.944 68.437,86.969 68.423,86.99 67.711,87.701 67.69,87.715 67.666,87.72 51.054,87.72 51.029,87.715 51.008,87.701 50.113,86.806 49.557,86.806 49.341,87.022 49.341,87.654 50.065,88.378 77.749,88.378 77.774,88.383 77.795,88.397 77.878,88.48 81.431,88.48
+5 on Int2 (PWR) (split plane): 19.265,69.061 19.265,66.091 19.27,66.066 19.284,66.045 20.528,64.8 20.549,64.786 20.574,64.781 30.199,64.781 36.029,58.952 36.029,54.305 36.034,54.28 36.048,54.259 39.756,50.551 39.777,50.537 39.802,50.532 41.223,50.532 41.566,50.189 41.566,48.922 41.375,48.731 38.94,48.731 34.482,53.189 34.482,58.369 34.477,58.394 34.463,58.415 29.561,63.317 29.54,63.331 29.515,63.336 12.651,63.336 12.46,63.527 12.46,65.226 12.803,65.569 18.11,65.569 18.135,65.574 18.156,65.588 18.562,65.994 18.576,66.015 18.581,66.04 18.581,69.087 18.772,69.277 19.049,69.277
GND on Int1 (GND) (split plane): 99.49,0.51 0.51,0.51 0.51,99.49 99.49,99.49

## Other copper
Top Layer:
  pour cut-out: 33.655,40.462 33.985,40.462 33.985,39.548 33.985,39.014 33.655,39.014
  pour cut-out: 42.786,79.781 42.786,79.286 41.542,79.286 41.542,79.781
  pour cut-out: 52.629,59.309 52.629,58.572 51.918,58.572 51.918,59.309
  pour cut-out: 74.092,60.319 74.092,59.823 73.406,59.823 73.406,60.319
  pour cut-out: 59.512,60.528 59.512,59.982 58.979,59.982 58.979,60.528
  pour cut-out: 64.999,81.102 64.999,80.543 64.198,80.543 63.906,80.543 63.906,81.102
  pour cut-out: 39.599,49.936 39.599,49.606 38.913,49.606 38.379,49.606 38.379,49.936
  pour cut-out: 34.925,58.039 35.255,58.039 35.255,56.972 35.255,56.439 34.925,56.439
  pour cut-out: 81.69,91.415 81.69,91.084 78.94,91.084 78.648,91.084 78.648,91.415
  pour cut-out: 84.785,62.814 84.785,62.484 83.985,62.484 83.693,62.484 83.693,62.814
  pour cut-out: 28.499,38.585 28.499,28.245 22.022,28.245 22.022,38.585
  pour cut-out: 53.772,79.299 53.772,78.969 52.972,78.969 52.68,78.969 52.68,79.299
  pour cut-out: 93.193,66.243 93.193,65.913 92.392,65.913 92.1,65.913 92.1,66.243
  pour cut-out: 17.031,66.548 17.031,66.218 16.497,66.218 16.497,66.548
  pour cut-out: 15.38,65.913 15.38,65.583 14.313,65.583 13.779,65.583 13.779,65.913
  pour cut-out: 34.315,51.918 34.315,51.587 33.249,51.587 32.715,51.587 32.715,51.918
  pour cut-out: 61.671,61.1 61.671,60.77 60.655,60.77 60.63,60.744 60.63,61.1
  pour cut-out: 16.866,24.422 16.866,24.092 16.307,24.092 16.281,24.066 16.281,24.422
  pour cut-out: 13.64,22.796 13.64,22.466 13.081,22.466 13.056,22.441 13.056,22.796
  pour cut-out: 83.845,60.566 83.845,60.236 83.058,60.236 83.033,60.211 83.033,60.566
  pour cut-out: 80.188,58.255 80.188,57.925 79.629,57.925 79.604,57.899 79.604,58.255
  pour cut-out: 67.234,54.978 67.234,54.648 66.218,54.648 66.192,54.623 66.192,54.978
  pour cut-out: 45.923,52.629 45.923,52.299 45.364,52.299 45.339,52.273 45.339,52.629
  pour cut-out: 39.599,55.016 39.599,53.924 39.014,53.924 39.014,55.016
  pour cut-out: 15.926,71.26 15.926,70.929 15.367,70.929 15.342,70.904 15.342,71.26
  pour cut-out: 9.119,75.679 9.119,75.349 8.56,75.349 8.534,75.324 8.534,75.679
  pour cut-out: 1.803,40.043 1.803,39.713 1.245,39.713 1.219,39.688 1.219,40.043
  pour cut-out: 16.688,42.088 16.688,41.758 16.129,41.758 16.104,41.732 16.104,42.088
  pour cut-out: 11.836,52.197 11.836,51.867 11.278,51.867 11.252,51.841 11.252,52.197
  pour cut-out: 10.516,35.369 10.516,35.039 9.957,35.039 9.931,35.014 9.931,35.369
  pour cut-out: 5.994,58.661 5.994,58.331 5.436,58.331 5.41,58.306 5.41,58.661
  pour cut-out: 12.014,55.397 12.014,54.407 7.62,54.407 7.62,55.368
  pour cut-out: 7.468,41.046 7.468,40.716 6.909,40.716 6.883,40.691 6.883,41.046
  pour cut-out: 10.338,38.608 10.338,37.617 5.944,37.617 5.944,38.579
  pour cut-out: 19.38,91.034 20.625,91.034 20.625,90.754 19.38,90.754
  pour cut-out: 17.577,86.182 17.577,85.141 17.323,85.141 17.323,85.928
  pour cut-out: 19.253,86.258 19.253,85.141 19.482,85.141 19.482,86.03
  pour cut-out: 80.213,36.068 80.213,35.255 80.035,35.077 80.035,36.068
Bottom Layer:
  pour cut-out: 89.865,74.828 89.484,74.828 89.484,75.184 89.865,75.184
  pour cut-out: 40.818,48.997 40.437,48.997 40.437,49.352 40.818,49.352
  pour cut-out: 50.444,43.713 50.089,43.282 49.759,43.459 50.089,43.866
  pour cut-out: 89.764,36.398 89.764,35.966 89.414,35.966 89.414,36.398
  pour cut-out: 89.789,35.039 89.789,34.036 89.44,34.036 89.44,35.039
  pour cut-out: 92.964,37.833 92.964,36.944 92.615,36.944 92.615,37.833
  pour cut-out: 91.027,32.156 91.027,31.826 90.227,31.826 89.935,31.826 89.935,32.156
  pour cut-out: 71.59,64.719 71.59,64.389 70.79,64.389 70.498,64.389 70.498,64.719
Int2 (PWR) (plane layer: these items are gaps in the copper):
  lines w0.127: 42.24,63.246 34.239,63.246 ; 52.07,88.443 77.749,88.443 77.851,88.544 81.458,88.544 81.737,88.265 81.737,88.011 81.305,87.579 77.546,87.579 69.596,87.579 69.063,87.046 69.063,78.892 68.859,78.689 67.488,78.689 65.024,78.689 62.001,78.689 61.036,77.724 59.792,76.479 59.258,75.946 59.258,74.778 60.198,73.838 60.198,66.954 56.49,63.246 47.142,63.246 46.939,63.043 46.939,62.865 46.939,62.382 46.634,62.078 46.279,62.078 46.025,62.332 46.025,63.094 45.872,63.246 34.239,63.246 ; 52.095,88.443 50.038,88.443 49.276,87.681 49.276,86.995 49.53,86.741 50.14,86.741 51.054,87.655 51.968,87.655 67.666,87.655 68.377,86.944 68.377,79.985 68.224,79.832 65.608,79.832 61.29,79.832 60.477,79.019 ; 60.528,79.07 58.75,77.292 57.404,75.946 57.404,74.549 58.09,73.863 58.623,73.33 58.623,67.539 55.601,64.516 42.189,64.516 35.509,64.516 28.727,71.298 14.427,71.298 8.814,65.684 8.814,55.905 4.521,51.613 4.039,51.13 4.039,48.26 4.216,48.082 4.851,48.082 5.766,48.997 5.766,50.47 10.516,55.22 10.516,64.846 15.418,69.748 27.737,69.748 34.239,63.246 ; 1.626,31.521 1.626,35.154 2.972,36.5 2.972,44.018 1.626,45.364 1.626,52.807 6.553,57.734 6.553,67.92 10.503,71.869 10.503,73.977 18.148,81.623 22.098,85.573 41.885,85.573 46.787,90.475 84.353,90.475 86.157,88.671 86.157,86.766 86.157,78.13 84.557,76.53 71.806,76.53 70.46,75.184 70.46,63.297 70.637,63.119 70.637,62.128 70.256,61.747 69.621,61.747 69.215,62.154 69.215,76.302 70.866,77.953 83.795,77.953 84.48,78.638 84.48,87.503 83.795,88.189 83.083,88.9 48.209,88.9 45.669,86.36 45.669,81.229 45.669,73.025 44.78,72.136 44.78,66.116 44.475,65.811 43.586,65.811 43.332,66.065 43.332,72.873 44.247,73.787 44.247,80.848 44.145,80.95 41.783,83.312 22.606,83.312 19.12,79.826 12.929,73.635 12.929,70.917 8.661,66.65 8.661,56.769 3.861,51.968 3.861,46.177 5.41,44.628 5.41,35.56 3.861,34.011 3.861,31.267 3.632,31.039 2.108,31.039 1.626,31.521 ; 12.395,63.5 12.624,63.271 29.515,63.271 34.417,58.369 34.417,53.162 38.913,48.666 41.402,48.666 41.631,48.895 41.631,50.216 41.25,50.597 39.802,50.597 36.093,54.305 36.093,58.979 30.226,64.846 20.574,64.846 19.329,66.091 19.329,69.088 19.075,69.342 18.745,69.342 18.517,69.113 18.517,66.04 18.11,65.634 12.776,65.634 12.395,65.253 12.395,63.5

## Silkscreen, mask and mechanical layers (free items; w line width, h text height)
Top Overlay:
  circle w0.15: c5,5 r3
  circle w0.15: c95,5 r3
  circle w0.15: c95,85 r3
  circle w0.15: c5,85 r3
  lines w0.076: 10.008,64.44 10.795,64.44 ; 10.82,64.44 12.421,62.84 13.36,62.84 15.291,60.909 15.291,58.953 17.043,57.201 19.304,57.201
  lines w0.254: 79.756,57.683 79.756,53.518 80.467,52.807 82.321,52.807 84.48,50.648 ; 84.404,50.724 84.48,50.648 ; 87.808,50.648 84.48,50.648
  text "BRICKWORKS 2021 / REV 1A 10/17/2021 / MATTHEW GLAZER" at 39.243,1.651 h1.52
Mechanical 1:
  the board outline again, w0.254

## Text inside footprints (layer, text, board x,y; h text height)
J1: Top Overlay "34" at 44.671,93.996 h0.51; Top Overlay "33" at 44.671,91.964 h0.51; Top Overlay "2" at 7.079,93.996 h0.51; Top Overlay "1" at 7.206,91.837 h0.51
J2: Top Overlay "2" at 48.825,93.996 h0.51; Top Overlay "1" at 48.952,91.837 h0.51; Top Overlay "40" at 92.894,93.996 h0.51; Top Overlay "39" at 92.894,91.964 h0.51
U1: Top Overlay "DF40HC(3.0)-100DS-0.4v" at 35.97,15.413 h1.52; Top Overlay "PIN 1 / PIN 2" at 58.703,44.623 h1.25; Top Overlay "PIN 101 / PIN 102" at 58.449,10.714 h1.25; Top Overlay "WiFi / Keepout" at 28.223,28.494 h1.52 r90; Top Overlay "Raspberry Pi 4 Compute Module" at 23.016,40.559 h1.52